# Altium PCB pi4.PcbDoc (part 3 of 4)
Units mm, origin at the board's own origin, x right, y up, seen from the top; angles counter-clockwise.
Board outline 90 x 90 mm, 6 copper layers (Top Layer, GND, Layer 1, Layer 2, +3.3V, Bottom Layer), stack 1.576 mm thick; 206 components, 185 nets, 1058 pads, 526 vias.
Unrouted connection lines stored in the file: 110.
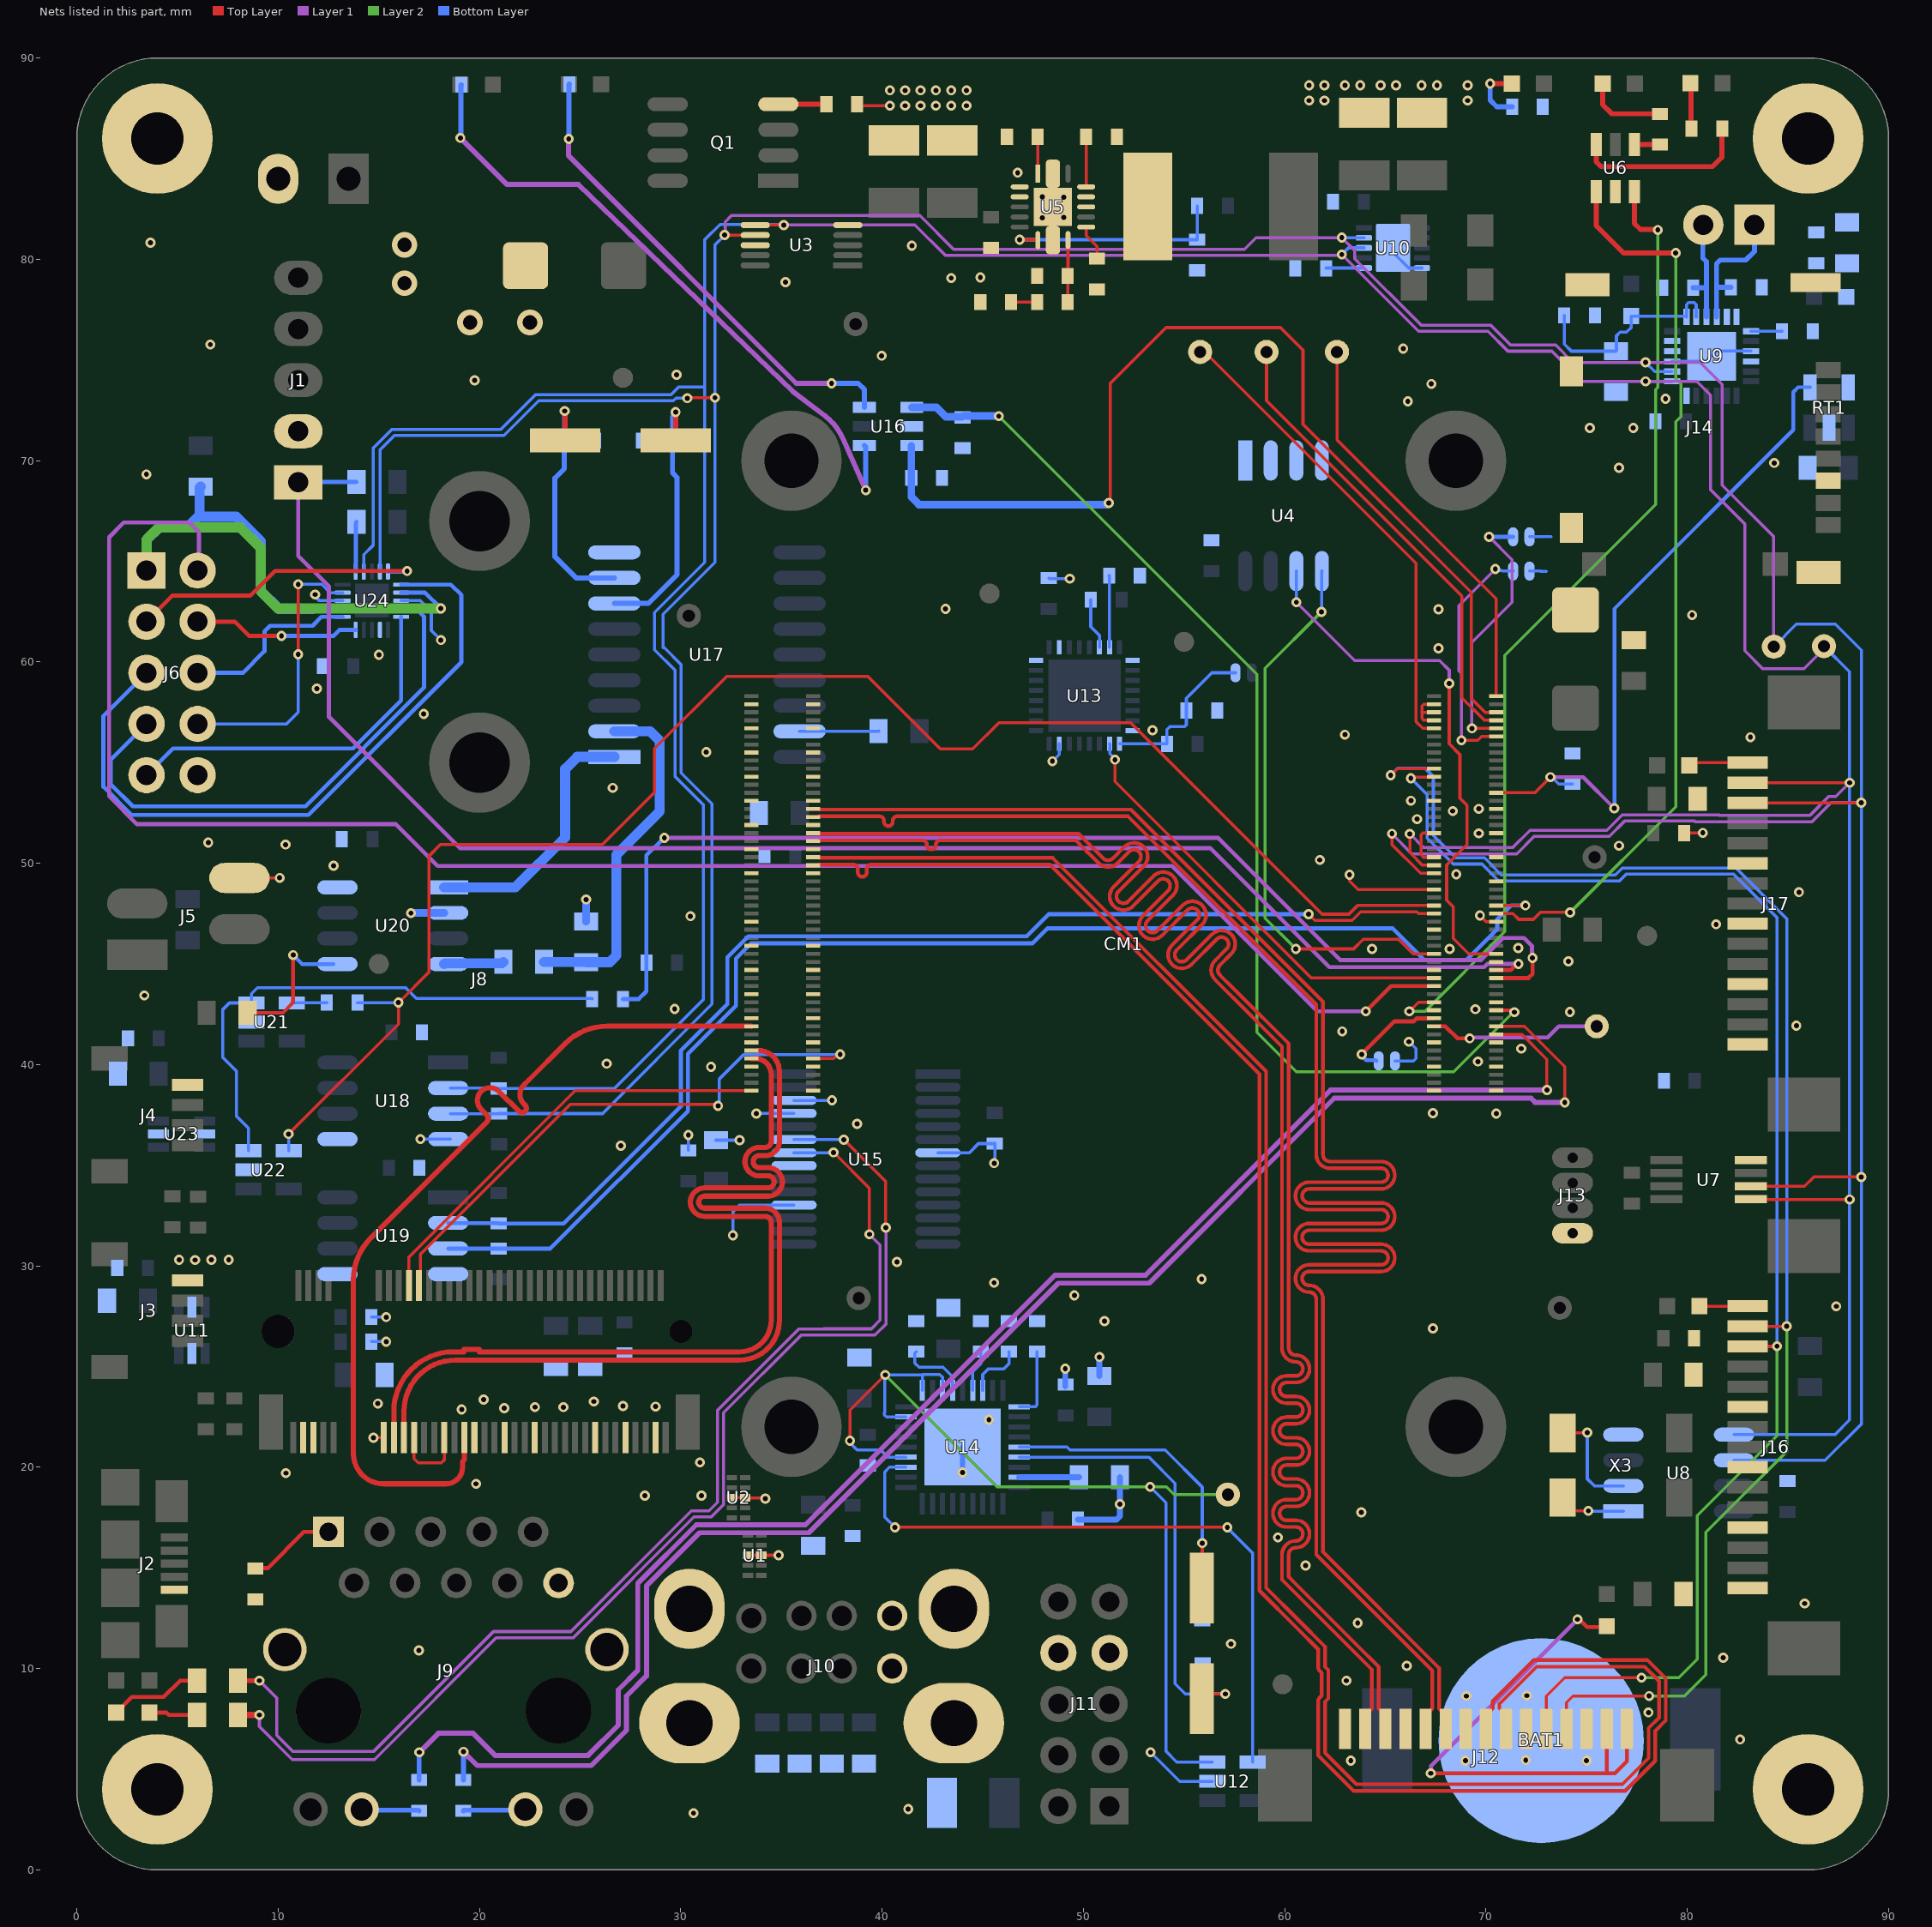
[diagram p7: the nets of this part, all layers, seen from the top]

## Via types
v1: diameter 0.5, hole 0.25, Top Layer to Bottom Layer, tented both sides, 427 vias
v2: diameter 0.5, hole 0.25, Top Layer to Bottom Layer, 94 vias
v3: diameter 1.27, hole 0.711, Top Layer to Bottom Layer, tented both sides, 5 vias

## Nets (pads, with @x,y where several pads share a name; then routed paths per layer and width w, separated by ;. In a path a pad name is that pad's centre, name@x,y a point inside that pad or via, vN(x,y) a via of type N, cw(c..) or ccw(c..) an arc to the next point about the centre after c; other vN are vias at no path point) (continued)
GND: BAT1.2 C1.2 C2.2 C3.2 C4.2 C5.2 C7.1 C8.2 C9.2 C10.2 C11.2 C13.2 C14.2 C15.2 C16.2 C17.2 C18.2 C19.2 C20.2 C21.2 C22.2 C23.2 C24.2 C25.2 C26.2 C27.2 C28.2 C29.2 C30.2 C31.2 C32.2 C33.2 C34.2 C35.2 C36.2 C37.2 C39.2 C40.2 C41.2 C42.2 C43.2 C44.2 C45.2 C46.2 C47.2 C48.2 C49.2 C50.2 C51.2 C52.2 C53.2 C54.2 C55.2 C56.2 C57.2 C58.2 C59.2 C60.2 C61.2 C62.2 C63.2 C64.2 C65.2 C66.2 C67.2 C68.2 C69.2 C70.2 C71.2 CM1.1 CM1.2 CM1.7 CM1.8 CM1.13 CM1.14 CM1.22 CM1.23 CM1.32 CM1.33 CM1.42 CM1.43 CM1.52 CM1.53 CM1.59 CM1.60 CM1.65 CM1.66 CM1.71 CM1.74 CM1.94 CM1.96 CM1.98 CM1.101 CM1.107 CM1.108 CM1.113 CM1.114 CM1.119 CM1.120 CM1.125 CM1.126 CM1.131 CM1.132 CM1.137 CM1.138 CM1.144 CM1.155 CM1.156 CM1.161 CM1.162 CM1.167 CM1.168 CM1.173 CM1.174 CM1.179 CM1.180 CM1.185 CM1.186 CM1.191 CM1.192 CM1.197 CM1.198 J1.2 J2.5 J3.1 J4.1 J5.4 J6.10 J7.2 J8.3 J8.9 J8.15 J8.27 J8.33 J8.39 J8.45 J8.51 J8.57 J8.71 J8.73 J9.10 J9.S J10.4A J10.4B J10.S J11.7 J11.8 J12.1 J12.4 J12.7 J12.10 J12.13 J13.4 J14.6 J14.P1 J14.P2 J14.P3 J14.P4 J14.P5 J16.1 J16.4 J16.7 J16.10 J17.1 J17.4 J17.7 J17.10 R6.1 R16.2 R19.2 R20.1 R23.2 R24.1 R26.2 R27.1 R28.1 R29.1 R30.2 R31.2 R33.1 R36.1 R50.2 RT1.2 S1.1 S2.1 S3.1 S4.1 SB1.2 SB2.2 SB3.2 U1.3 U1.8 U2.3 U2.8 U3.5 U3.8 U4.1 U4.2 U4.3 U4.4 U5.2 U5.3 U5.15 U6.2 U7.4 U8.4 U9.3 U9.4 U9.5 U9.11 U9.12 U9.15 U9.16 U9.24 U9.25 U10.5 U10.11 U11.2 U11.5 U12.2 U13.2 U13.9 U13.16 U13.23 U13.32 U14.37 U15.7 U15.18 U15.21 U15.25 U15.26 U16.2 U17.9 U18.4 U18.5 U19.4 U19.5 U20.2 U20.8 U21.2 U22.2 U23.2 U23.5 U24.8 U24.12 U24.18 | length 70.3
  Top Layer w0.15: J5.4@8.08,49.27 10.07,49.27 v1(10.075,49.275) ; v1(14.732,21.463) 14.834,21.463 14.846,21.475 J8.57@15.25,21.475 ; J8.51@16.75,21.475 16.75,20.436 16.967,20.218 18.11,20.218 18.25,20.358 J8.45@18.25,21.475 ; J8.33@21.175,21.55 J8.33@21.25,21.475 ; U2.8@32.537,18.483 U2.3@33.198,18.483 33.219,18.462 34.185,18.462 v1(34.206,18.441) ; U1.8@33.34,15.628 U1.3@34,15.628 v1(34.864,15.628) ; R6.1@38.762,87.7 38.832,87.63 v1(40.386,87.63) ; v2(63.221,49.428) 63.221,49.124 63.644,48.7 CM1.52@67.42,48.7 ; 66.828,57.5 CM1.96@67.42,57.5 ; CM1.60@67.42,50.3 66.893,50.3 66.777,50.417 66.777,51.412 66.864,51.5 CM1.66@67.42,51.5 ; CM1.94@67.42,57.1 66.915,57.1 66.827,57.188 66.827,57.499 66.827,57.81 66.917,57.9 CM1.98@67.42,57.9 ; v1(69.7,47.407) 70.007,47.1 CM1.43@70.5,47.1 ; C16.2@79.837,51.5 80.761,51.5 v1(80.772,51.511) ; v1@80.198,62.316 80.213,62.332 v1(80.239,62.332)
  Bottom Layer w0.15: v2(11.836,63.348) 11.836,63.258 12.051,63.043 U24.18@13.206,63.043 ; v1@12.751,49.874 v1(12.75,49.875) v1@12.775,49.9 ; C62.2@14.63,26.238 v1(15.367,26.238) ; C63.2@14.63,27.457 v1(15.367,27.457) ; U24.8@16.106,63.043 17.069,63.043 17.61,62.502 17.61,61.562 v2(18.085,61.087) ; v1(17.069,36.297) 17.094,36.297 17.096,36.295 18.549,36.295 U18.4@18.546,36.297 ; C54.2@30.378,35.738 v1(30.378,36.5) ; C53.2@31.75,36.246 v1(32.918,36.246) ; v1(32.588,31.521) 32.588,32.69 32.923,33.025 U15.18@35.625,33.025 ; v1(33.757,37.567) 33.765,37.575 U15.25@35.625,37.575 ; U15.26@35.625,38.225 37.514,38.225 v1(37.516,38.227) ; U15.7@42.775,35.625 44.337,35.625 44.788,36.076 C40.2@45.6,36.076 45.6,35.135 v1(45.568,35.103) ; C37.2@48.285,64.16 48.311,64.135 v1(49.327,64.135) ; v1(48.463,55.067) 48.801,55.405 U13.23@48.801,55.932 ; v1(53.34,5.842) 54.782,4.4 U12.2@56.4,4.4 ; U10.11@65.38,80.569 65.38,80.343 66.154,79.569 U10.5@66.824,79.569 ; SB3.2@65.481,40.183 66.396,40.183 66.523,40.31 66.523,40.786 v1(66.173,41.136) ; SB1.2@72.161,64.516 72.704,64.516 72.716,64.504 72.988,64.504 ; SB2.2@72.161,66.218 73.23,66.218 73.242,66.23 ; U9.3@79.248,74.93 80.95,74.93 U9.25@81.204,75.184 81.458,75.438 U9.15@83.16,75.438
  Bottom Layer w0.25: v1(43.993,19.736) 44,19.743 U14.37@44,21
  Bottom Layer w0.296: v1(49.098,24.892) 49.1,24.89 C36.2@49.1,24.024 ; C35.2@49.737,17.4 51.639,17.4 51.812,17.573 51.812,18.157 v1(51.816,18.161) R24.1@51.816,19.5 ; C34.2@50.8,24.532 v1(50.8,25.476)
  Bottom Layer w0.381: v1(16.6,47.525) 16.61,47.535 U20.2@18.249,47.535 ; R36.1@25.3,47.116 v1(25.3,48.2)
  other v1: 30.632,2.819 41.3,3.023 63.287,5.43 68.977,5.43 74.996,5.43 71.974,5.455 82.626,6.477 78.07,7.817 69.027,8.63 72.025,8.655 63.068,9.398 66.065,10.135 81.788,10.541 16.993,10.897 57.328,11.227 63.627,12.268 85.827,13.233 61.036,15.113 59.665,16.51 63.805,17.755 28.213,18.589 31.032,18.589 19.831,19.174 10.382,19.707 30.956,20.24 45.308,22.354 19.116,22.866 21.234,22.936 24.174,22.984 22.758,22.987 28.753,23.012 27.127,23.038 14.954,23.161 25.679,23.266 20.212,23.365 67.361,26.899 51.049,27.261 87.401,27.991 49.551,28.531 45.563,29.166 55.875,29.344 40.742,30.201 5.875,30.295 5.08,30.302 6.68,30.302 7.544,30.302 27.026,35.966 38.76,37.059 70.51,37.567 67.361,37.592 31.503,39.887 26.317,40.043 69.603,40.15 71.755,40.792 62.857,41.648 85.42,41.935 74.172,42.618 29.695,42.761 69.469,42.748 3.353,43.434 74.096,45.132 71.603,45.785 81.432,46.965 30.48,47.371 85.547,48.565 68.523,49.448 61.747,50.165 76.61,50.873 10.363,50.927 6.528,51.029 69.647,51.486 66.577,52.193 68.35,52.593 69.647,52.705 66.272,53.108 26.619,53.746 31.267,55.524 83.134,56.261 62.992,56.388 53.433,56.608 17.233,57.418 67.64,60.681 67.64,62.611 43.155,62.636 3.454,69.317 76.606,69.647 84.32,69.883 75.159,71.628 77.318,71.628 66.116,72.949 78.918,73.076 67.285,73.812 19.761,73.99 29.794,74.27 39.98,75.209 65.888,75.565 6.629,75.768 35.204,78.867 43.434,79.07 44.882,79.096 41.478,80.676 3.658,80.823 47.964,82.063 49.03,82.088 49.03,83.079 47.964,83.104 46.736,84.303 41.148,87.63 41.91,87.63 42.672,87.63 43.434,87.63 44.196,87.63 61.214,87.884 61.976,87.884 69.088,87.884 40.386,88.392 41.148,88.392 41.91,88.392 42.672,88.392 43.434,88.392 44.196,88.392 61.214,88.646 61.976,88.646 62.992,88.646 63.754,88.646 64.77,88.646 65.532,88.646 66.802,88.646 67.564,88.646 69.088,88.646
  other v2: 64.338,45.745 68.199,45.745 11.922,58.669 15.004,60.353
  other v3: 19.533,76.86 22.504,76.86 16.281,78.816 16.281,80.721
GPIO13: CM1.28 J6.2 | length 90.5
  Top Layer w0.203: v1(64.033,42.645) v1(64.033,42.645) 65.287,43.9 CM1.28@67.42,43.9
  Layer 1 w0.203: J6.2@6,64.54 6.071,64.611 6.071,66.446 5.588,66.929 2.337,66.929 1.6,66.192 1.6,53.34 2.997,51.943 15.85,51.943 17.923,49.87 54.397,49.87 61.622,42.645 v1(64.033,42.645)
I2C0.SCL: CM1.80 J12.11 J16.13 | length 73.6
  Top Layer w0.152: v2(66.269,54.224) 66.321,54.276 67.396,54.276 CM1.80@67.42,54.3 ; J12.11@73,7 73,8.636 73.914,9.55 v2(77.724,9.55) ; J16.13@83,26 84.445,26 v2(84.455,26.01)
  Layer 2 w0.152: v2(77.724,9.55) 79.578,9.55 80.493,10.465 80.493,17.602 84.455,21.565 v2(84.455,26.01)
  Bottom Layer w0.152: v2(66.269,54.224) 67.081,53.411 67.081,51.257 68.374,49.964 69.797,49.964 70.637,49.124 76.632,49.124 76.962,49.454 82.3,49.454 84.455,47.299 v2(84.455,26.01)
I2C0.SDA: CM1.82 J12.12 J16.14 | length 77.1
  Top Layer w0.152: v2(65.265,54.368) 65.279,54.368 65.61,54.7 CM1.82@67.42,54.7 ; J12.12@74,7 74,8.316 74.32,8.636 v2(78.105,8.636) ; J16.14@83,27 v2(84.938,27)
  Layer 2 w0.152: v2(78.105,8.636) 79.858,8.636 80.924,9.703 80.924,16.764 84.938,20.777 v2(84.938,27)
  Bottom Layer w0.152: v2(65.265,54.368) 65.609,54.712 66.98,54.712 67.386,54.305 67.386,51.38 68.5,50.267 69.926,50.267 70.767,49.426 76.431,49.426 76.761,49.756 82.425,49.756 84.938,47.244 v2(84.938,27)
I2C1.SCL: CM1.56 J17.13 R39.2 SCL1.1 U3.7 U7.2 U8.6 U9.2 U10.9 U18.3 U24.4 | length 242.5
  Top Layer w0.15: v2(30.328,73.101) 30.353,73.127 v2(31.699,73.127) ; v2(32.182,81.204) 32.184,81.202 33.698,81.202 U3.7@33.7,81.2 ; v2(65.329,51.468) 65.335,51.462 65.335,50.921 66.756,49.5 CM1.56@67.42,49.5 ; J17.13@83.035,53.035 J17.13@83,53 88.636,53 v2(88.646,53.01) ; U7.2@83.16,33.96 85.827,33.96 86.284,34.417 v2(88.646,34.417)
  Layer 1 w0.15: v2(32.182,81.204) 32.207,81.229 32.207,81.864 32.518,82.175 41.879,82.175 43.553,80.5 57.996,80.5 58.572,81.077 v2(62.84,81.077) 63.475,80.442 63.475,80.03 66.771,76.733 70.225,76.733 71.219,75.739 73.46,75.739 74.32,74.879 v2(77.927,74.879) 80.645,74.879 81.737,73.787 81.737,68.783 84.277,66.243 84.277,60.782 SCL1.1@84.303,60.757 ; v2(65.329,51.468) 65.329,51.46 66.319,50.47 71.526,50.47 72.39,51.333 76.124,51.333 76.886,52.095 80.366,52.095 80.391,52.07 86.208,52.07 87.147,53.01 v2(88.646,53.01)
  Bottom Layer w0.15: U24.4@15.056,64.493 15.056,70.529 15.777,71.251 21.213,71.251 22.94,72.978 29.64,72.978 29.763,73.101 v2(30.328,73.101) ; U18.3@18.549,37.565 20.979,37.565 R39.2@20.98,37.567 26.111,37.567 31.547,43.002 31.547,52.959 30.023,54.483 30.023,59.868 29.185,60.706 29.12,60.706 29.12,62.369 31.699,64.948 v2(31.699,73.127) 31.699,80.721 v2(32.182,81.204) ; v2(62.84,81.077) 62.848,81.069 U10.9@63.935,81.069 ; v2(77.927,74.879) 78.384,74.422 U9.2@79.248,74.422 ; U8.6@82.321,20.345 86.847,20.345 88.646,22.145 v2(88.646,34.417) v2(88.646,53.01) 88.646,60.579 87.351,61.874 85.42,61.874 SCL1.1@84.303,60.757
I2C1.SDA: CM1.58 J17.14 R40.2 SDA1.1 U3.6 U7.1 U8.5 U9.1 U10.8 U18.2 U24.2 | length 234.9
  Top Layer w0.15: v2(66.218,51.46) 66.218,50.532 66.85,49.9 CM1.58@67.42,49.9
  Top Layer w0.152: U3.6@33.7,81.7 v2(35.116,81.7) ; J17.14@83,54 v2(88.062,54) ; U7.1@83.16,33.31 83.165,33.305 88.057,33.305 v2(88.062,33.299)
  Layer 1 w0.15: v2(66.218,51.46) 66.904,50.775 71.322,50.775 72.181,51.633 76,51.633 76.762,52.395 81.572,52.395 81.596,52.371 85.957,52.371
  Layer 1 w0.152: v2(35.116,81.7) 35.128,81.712 41.631,81.712 43.143,80.199 62.8,80.199 v2(62.84,80.239) 66.646,76.432 70.1,76.432 71.095,75.438 73.279,75.438 74.778,73.939 v2(77.927,73.939) 80.467,73.939 81.153,73.254 81.153,68.555 82.855,66.853 82.855,60.554 83.744,59.665 85.801,59.665 SDA1.1@86.716,60.579 ; 85.957,52.371 86.083,52.371 87.023,53.311 87.372,53.311 v2(88.062,54)
  Bottom Layer w0.15: U18.2@18.549,38.835 20.931,38.835 R40.2@20.955,38.811 26.703,38.811 31.115,43.223 31.115,52.908 29.718,54.305 29.718,59.588 28.702,60.604 28.702,62.459 31.191,64.948 31.191,73.66 31.191,80.975 31.953,81.737 35.079,81.737 v2(35.116,81.7)
  Bottom Layer w0.152: U24.2@14.256,64.493 14.256,65.335 14.732,65.811 14.732,70.637 15.646,71.552 21.057,71.552 22.784,73.279 29.515,73.279 29.896,73.66 31.191,73.66 ; v2(62.84,80.239) 63.17,80.569 U10.8@63.935,80.569 ; v2(77.927,73.939) U9.1@79.248,73.939 ; U8.5@82.321,21.615 87.325,21.615 88.062,22.352 v2(88.062,33.299) 88.062,54.035 88.062,59.512 SDA1.1@86.792,60.782
I2C6.SCL: CM1.47 R42.2 U19.3 | length 66.7
  Top Layer w0.152: CM1.47@70.5,47.9 70.502,47.902 71.956,47.902 v2(71.958,47.904)
  Bottom Layer w0.203: U19.3@18.449,30.865 18.451,30.863 20.953,30.863 R42.2@20.955,30.861 23.52,30.861 30.353,37.694 30.353,40.538 32.741,42.926 32.741,45.263 33.503,46.025 47.473,46.025 48.212,46.764 65.377,46.764 66.954,45.187 69.012,45.187 70.561,46.736 70.561,47.219 71.247,47.904 v2(71.958,47.904)
I2C6.SDA: CM1.46 R41.2 U19.2 | length 58.7
  Top Layer w0.152: v2(61.189,47.473) 61.493,47.168 63.348,47.168 63.773,47.593 66.567,47.593 66.661,47.5 CM1.46@67.42,47.5
  Bottom Layer w0.203: U19.2@18.449,32.135 18.464,32.12 20.94,32.12 R41.2@20.955,32.106 24.181,32.106 30,37.925 30,40.685 32.317,43.002 32.317,45.339 33.356,46.378 47.191,46.378 48.285,47.473 v2(61.189,47.473)
I2C_FAULT: CM1.29 R12.2 R18.2 | length 58.9
  Top Layer w0.203: CM1.29@70.5,44.3 72.113,44.3 72.313,44.5 v1(72.313,45.295)
  Layer 1 w0.203: v2(29.185,51.257) 56.695,51.257 62.757,45.195 69.756,45.195 70.848,46.287 71.892,46.287 72.279,45.9 72.279,45.33 v1(72.313,45.295)
  Bottom Layer w0.203: R18.2@27.127,43.256 27.915,43.256 28.296,43.637 R12.2@28.296,45.06 28.296,50.394 29.159,51.257 v2(29.185,51.257)
I2C_ID.SCL: CM1.35 U4.6 | length 27.2
  Top Layer w0.152: v2(68.174,58.928) 68.174,55.931 68.707,55.397 68.707,53.234 69.063,52.879 69.063,50.927 68.047,49.911 68.047,48.158 68.373,47.832 68.373,46.27 69.143,45.5 CM1.35@70.5,45.5
  Layer 1 w0.152: v2(60.579,62.967) 63.475,60.071 67.691,60.071 68.174,59.588 v2(68.174,58.928)
  Bottom Layer w0.152: v2(60.579,62.967) U4.6@60.579,64.51
I2C_ID.SDA: CM1.36 U4.5 | length 27.9
  Top Layer w0.152: v2(60.554,45.745) 63.424,45.745 63.906,46.228 65.659,46.228 66.387,45.5 CM1.36@67.42,45.5
  Layer 2 w0.152: v2(60.554,45.745) 59.03,47.269 59.03,59.69 v2(61.824,62.484)
  Bottom Layer w0.152: v2(61.824,62.484) 61.836,62.497 61.836,64.498 U4.5@61.849,64.51
I2CEN: CM1.48 R21.1 U22.4 | length 80.6
  Top Layer w0.152: v2(10.516,36.551) 15.977,42.012 v2(15.977,43.078) 17.501,44.602 17.501,50.368 18.059,50.927 26.111,50.927 28.702,53.518 28.702,55.702 32.283,59.284 39.294,59.284 42.85,55.727 42.901,55.677 44.501,55.677 45.796,56.972 52.362,56.972 61.864,47.47 63.188,47.47 63.618,47.9 CM1.48@67.42,47.9
  Bottom Layer w0.152: v2(10.516,36.551) 10.525,36.541 U22.4@10.525,35.723 ; R21.1@13.945,43.078 v2(15.977,43.078)
LED_USER1: CM1.45 U6.1 | length 45.3
  Top Layer w0.152: CM1.45@70.5,47.5 71.338,47.5 71.622,47.216 72.362,47.216 72.72,47.574 74.166,47.574 v1(74.183,47.557)
  Top Layer w0.25: U6.1@75.479,83.356 75.479,81.671 76.835,80.315 v1(79.426,80.315)
  Layer 2 w0.152: v1(74.183,47.557) 79.426,52.8 79.426,71.933 79.68,72.187 79.68,73.812 79.426,74.066 v1(79.426,80.315)
LED_USER2: CM1.24 U6.3 | length 48.7
  Top Layer w0.152: v1(66.192,42.645) 66.648,43.1 CM1.24@67.42,43.1
  Top Layer w0.25: U6.3@77.379,83.356 77.379,81.778 77.673,81.483 78.511,81.483 v2(78.537,81.458)
  Layer 2 w0.152: v1(66.192,42.645) 66.978,42.645 70.936,46.603 70.936,60.319 78.435,67.818 78.435,73.533 78.537,73.635 v2(78.537,81.458)
LIDAR-PWM: CM1.31 J1.1 R38.1 | length 81.2
  Top Layer w0.203: J1.1@10.668,68.588 J1.1@11,68.92 ; CM1.31@70.5,44.7 71.234,44.7 71.531,44.997 v1(71.611,44.997)
  Layer 1 w0.203: J1.1@11,68.92 11,65.276 12.522,63.754 12.522,57.268 19.035,50.756 56.304,50.756 62.218,44.841 69.903,44.841 70.059,44.997 v1(71.611,44.997)
  Bottom Layer w0.203: J1.1@11,68.92 11.016,68.936 R38.1@13.894,68.936
MIPI_CK_N: CM1.169 J12.5 | length 92.5
  Top Layer w0.184: CM1.169@36.58,52.3 36.83,52.3 36.863,52.333 39.345,52.333 39.874,52.333 cw(c39.874,52.114) 40.093,52.114 40.093,52.069 ccw(c40.312,52.069) 40.312,51.851 ccw(c40.312,52.069) 40.531,52.069 40.531,52.114 cw(c40.749,52.114) 40.749,52.333 41.469,52.333 52.222,52.333 61.57,42.986 61.57,36.576 61.57,35.529 ccw(c62.249,35.529) 62.249,34.849 64.792,34.849 cw(c64.792,34.503) 64.792,34.157 61.215,34.157 ccw(c61.215,33.478) 61.215,32.798 64.792,32.798 cw(c64.792,32.453) 64.792,32.107 61.215,32.107 ccw(c61.215,31.427) 61.215,30.748 64.792,30.748 cw(c64.792,30.402) 64.792,30.056 61.215,30.056 ccw(c61.215,29.376) 61.215,28.697 61.224,28.697 cw(c61.224,28.351) 61.57,28.351 61.57,28.092 61.57,15.657 67.333,9.894 67.333,8.016 67.226,7.908 67.213,7.908 67,7.695 J12.5@67,7
MIPI_CK_P: CM1.171 J12.6 | length 92.5
  Top Layer w0.184: CM1.171@36.58,52.7 36.83,52.7 36.863,52.667 52.361,52.667 61.903,43.124 61.903,36.576 61.903,35.529 ccw(c62.249,35.529) 62.249,35.183 64.792,35.183 cw(c64.792,34.503) 64.792,33.824 61.215,33.824 ccw(c61.215,33.478) 61.215,33.132 64.792,33.132 cw(c64.792,32.453) 64.792,31.773 61.215,31.773 ccw(c61.215,31.427) 61.215,31.081 64.792,31.081 cw(c64.792,30.402) 64.792,29.722 61.215,29.722 ccw(c61.215,29.376) 61.215,29.031 61.224,29.031 cw(c61.224,28.351) 61.903,28.351 61.903,28.092 61.903,15.795 67.667,10.032 67.667,8.016 67.774,7.908 67.787,7.908 68,7.695 J12.6@68,7
MIPI_D0_N: CM1.157 J12.8 | length 96.2
  Top Layer w0.184: CM1.157@36.58,49.9 36.83,49.9 36.863,49.933 38.049,49.933 38.579,49.933 cw(c38.579,49.714) 38.798,49.714 38.798,49.544 ccw(c39.016,49.544) 39.016,49.325 ccw(c39.016,49.544) 39.235,49.544 39.235,49.714 cw(c39.454,49.714) 39.454,49.933 40.197,49.933 48.339,49.933 48.999,49.273 49.225,49.047 58.747,39.526 58.747,13.872 60.655,11.963 61.668,10.951 61.668,10.01 61.707,9.916 61.835,9.788 61.835,8.653 61.707,8.524 61.668,8.43 61.668,5.678 63.421,3.925 76.914,3.925 78.408,5.419 78.408,6.901 78.931,7.423 78.931,9.511 78.016,10.426 72.379,10.426 70.333,8.38 70.333,8.028 70,7.695 J12.8@70,7
MIPI_D0_P: CM1.159 J12.9 | length 93.8
  Top Layer w0.184: CM1.159@36.58,50.3 36.83,50.3 36.863,50.267 40.197,50.267 48.478,50.267 59.08,39.664 59.08,14.01 60.665,12.425 62.001,11.089 62.001,10.093 62.169,9.926 62.169,8.514 62.001,8.347 62.001,5.817 63.559,4.259 76.776,4.259 78.074,5.557 78.074,7.039 78.597,7.561 78.597,9.373 77.878,10.092 72.517,10.092 70.667,8.242 70.667,8.028 71,7.695 J12.9@71,7
MIPI_D1_N: CM1.163 J12.2 | length 90.4
  Top Layer w0.184: CM1.163@36.58,51.1 36.83,51.1 36.863,51.133 41.478,51.133 42.008,51.133 cw(c42.008,50.914) 42.227,50.914 42.227,50.902 ccw(c42.445,50.902) 42.445,50.683 ccw(c42.445,50.902) 42.664,50.902 42.664,50.914 cw(c42.883,50.914) 42.883,51.133 44.056,51.133 49.629,51.133 50.051,50.711 50.233,50.529 ccw(c50.352,50.646) 50.234,50.528 50.746,50.016 ccw(c51.227,50.496) 51.708,50.016 52.271,50.578 cw(c52.516,50.335) 52.761,50.091 51.507,48.837 ccw(c51.987,48.356) 51.506,47.875 ccw(c51.987,48.356) 52.468,47.876 53.721,49.128 ; 53.721,49.129 cw(c53.966,48.885) 54.21,49.13 cw(c53.966,48.885) 54.211,49.129 cw(c53.966,48.885) 54.212,49.128 cw(c53.966,48.885) 54.211,48.641 52.957,47.387 ccw(c53.437,46.905) 53.918,46.425 55.171,47.678 ; 55.171,47.679 cw(c55.416,47.434) 55.66,47.68 cw(c55.416,47.434) 55.661,47.679 cw(c55.416,47.434) 55.662,47.678 cw(c55.416,47.434) 55.661,47.191 54.407,45.936 ccw(c54.887,45.455) 54.407,44.975 ccw(c54.887,45.455) 55.368,44.975 ; 55.369,44.976 56.621,46.228 cw(c56.866,45.984) 57.111,46.229 cw(c56.866,45.984) 57.112,45.741 56.547,45.177 ccw(c57.027,44.695) 56.547,44.214 57.271,43.49 ccw(c57.39,43.608) 57.273,43.489 57.455,43.307 59.868,40.894 59.868,27 59.868,25.914 ccw(c60.547,25.914) 60.547,25.235 60.556,25.235 cw(c60.556,24.889) 60.556,24.543 60.094,24.543 ccw(c60.094,23.863) 60.094,23.184 60.556,23.184 cw(c60.556,22.838) 60.556,22.492 60.094,22.492 ccw(c60.094,21.813) 60.094,21.133 60.556,21.133 cw(c60.556,20.787) 60.556,20.441 60.094,20.441 ccw(c60.094,19.762) 60.094,19.082 60.556,19.082 cw(c60.556,18.737) 60.556,18.391 60.094,18.391 ccw(c60.094,17.711) 60.094,17.032 60.556,17.032 cw(c60.556,16.686) 60.556,16.34 60.547,16.34 ccw(c60.547,15.66) 59.868,15.66 59.868,14.413 59.904,14.376 64.333,9.947 64.333,8.016 64.226,7.908 64.213,7.908 64,7.695 J12.2@64,7
MIPI_D1_P: CM1.165 J12.3 | length 90.5
  Top Layer w0.184: CM1.165@36.58,51.5 36.83,51.5 36.863,51.467 49.767,51.467 50.287,50.947 50.518,50.715 50.982,50.252 ccw(c51.227,50.496) 51.472,50.252 52.035,50.814 cw(c52.516,50.335) 52.942,50.864 52.948,50.864 52.996,50.816 cw(c52.516,50.335) 52.997,50.814 53.045,50.766 53.045,50.761 cw(c52.516,50.335) 52.996,49.854 ; 51.742,48.111 cw(c51.987,48.356) 51.743,48.601 52.996,49.853 ; 51.743,48.11 ccw(c51.987,48.356) 52.231,48.11 53.485,49.364 cw(c53.966,48.885) 54.447,49.365 cw(c53.966,48.885) 54.446,48.403 ; 54.446,48.403 53.193,47.151 ccw(c53.437,46.905) 53.681,46.66 54.935,47.914 cw(c55.416,47.434) 55.897,47.915 cw(c55.416,47.434) 55.896,46.953 ; 54.642,45.211 cw(c54.887,45.455) 54.643,45.7 55.896,46.953 ; 54.643,45.21 ccw(c54.887,45.455) 55.131,45.21 56.385,46.464 cw(c56.866,45.984) 57.292,46.514 57.298,46.514 57.346,46.465 ; 57.347,46.464 57.396,46.416 57.396,46.41 cw(c56.866,45.984) 57.346,45.503 56.784,44.941 ccw(c57.027,44.695) 56.783,44.45 57.459,43.775 57.691,43.543 60.201,41.032 60.201,27 60.201,25.914 ccw(c60.547,25.914) 60.547,25.568 60.556,25.568 cw(c60.556,24.889) 60.556,24.209 60.094,24.209 ccw(c60.094,23.863) 60.094,23.517 60.556,23.517 cw(c60.556,22.838) 60.556,22.158 60.094,22.158 ccw(c60.094,21.813) 60.094,21.467 60.556,21.467 cw(c60.556,20.787) 60.556,20.108 60.094,20.108 ccw(c60.094,19.762) 60.094,19.416 60.556,19.416 cw(c60.556,18.737) 60.556,18.057 60.094,18.057 ccw(c60.094,17.711) 60.094,17.365 60.556,17.365 cw(c60.556,16.686) 60.556,16.006 60.547,16.006 ccw(c60.547,15.66) 60.201,15.66 60.201,14.551 60.376,14.376 63.574,11.179 64.667,10.085 64.667,8.016 64.774,7.908 64.787,7.908 65,7.695 J12.3@65,7
NetC1_1: C1.1 J9.1 | length 4.4
  Top Layer w0.203: C1.1@8.8,14.987 9.476,14.987 11.28,16.792 J9.1@12.5,16.792
NetC6_1: C6.1 U5.13 | length 2.5
  Top Layer w0.152: U5.13@50.139,83.601 50.139,86.08 C6.1@50.14,86.081
NetC6_2: C6.2 L1.2 U5.11 U5.12
NetC7_2: C7.2 U5.9 | length 1.8
  Top Layer w0.152: U5.9@50.139,81.601 50.139,81.179 50.673,80.645 C7.2@50.673,80.035
NetC10_1: C10.1 R8.2 U5.8 | length 3.1
  Top Layer w0.152: R8.2@49.225,77.876 C10.1@49.225,79.172 49.239,79.185 U5.8@49.239,80.951
NetC11_1: C11.1 R8.1 | length 1.3
  Top Layer w0.152: C11.1@46.406,77.876 R8.1@47.701,77.876
NetC20_1: C20.1 U9.13 | length 1.5
  Bottom Layer w0.15: U9.13@83.16,76.429 C20.1@84.709,76.429
NetC21_1: C21.1 J15.1 U9.10 | length 6.8
  Bottom Layer w0.246: U9.10@81.458,77.14 81.458,78.613 81.458,78.715 ; C21.1@82.169,78.613 81.559,78.613 81.458,78.715 ; J15.1@83.337,81.712 83.337,80.391 82.906,79.959 81.636,79.959 81.458,79.781 81.458,78.715
NetC23_1: C23.1 J15.2 U9.9 | length 5.3
  Bottom Layer w0.246: C23.1@80.289,78.588 80.874,78.588 80.95,78.511 ; J15.2@80.797,81.712 80.772,81.686 80.772,80.061 80.95,79.883 80.95,78.511 ; U9.9@80.95,77.14 80.95,78.511
NetC25_1: C25.1 C26.1 FB5.2 U9.7 U9.8 | length 10.9
  Bottom Layer w0.152: C26.1@73.889,77.216 73.889,75.794 74.244,75.438 C25.1@76.454,75.438 76.479,75.463 76.479,76.2 76.657,76.378 76.987,76.378 77.216,76.606 FB5.2@77.216,77.178 79.921,77.178 U9.7@79.959,77.14 79.959,77.749 80.061,77.851 80.34,77.851 80.442,77.749 U9.8@80.442,77.14
NetC27_1: C27.1 C28.1 FB1.2 RT1.5
NetC31_1: C31.1 R22.2 SB4.2 U13.17 | length 8.4
  Bottom Layer w0.152: U13.17@51.801,55.932 54.152,55.932 R22.2@54.153,55.931 54.153,56.642 54.305,56.794 55.029,56.794 55.118,56.884 C31.1@55.118,57.582 55.118,58.191 56.388,59.461 SB4.2@57.556,59.461
NetC32_1: C32.1 U14.33 X2.2 | length 22.2
  Top Layer w0.15: X2.2@55.88,8.502 56.115,8.738 v1(57.048,8.738)
  Bottom Layer w0.15: U14.33@46.817,20.5 53.262,20.5 54.559,19.202 54.559,9.246 55.067,8.738 C32.1@55.931,8.738 v1(57.048,8.738)
NetC33_1: C33.1 U14.32 X2.1 | length 17.2
  Top Layer w0.15: X2.1@55.88,14.002 55.905,14.028 v1(55.905,16.231)
  Bottom Layer w0.15: U14.32@46.817,21 49.18,21 49.327,20.853 54.065,20.853 55.905,19.013 v1(55.905,16.231) C33.1@55.905,13.919
NetC55_1: C55.1 U17.7 X1.2 | length 13.4
  Top Layer w0.25: v1(29.743,72.415) 29.75,72.409 X1.2@29.75,71
  Bottom Layer w0.25: U17.7@26.7,62.905 28.386,62.905 29.816,64.335 29.816,69.164 29.587,69.393 C55.1@29.587,71 29.591,71.004 29.591,72.195 29.743,72.348 v1(29.743,72.415)
NetC58_1: C58.1 U17.8 X1.1 | length 12.3
  Top Layer w0.25: v1(24.232,72.466) 24.25,72.448 X1.1@24.25,71
  Bottom Layer w0.25: v1(24.232,72.466) 24.222,72.457 24.222,71.009 C58.1@24.213,71 24.213,69.596 23.749,69.132 23.749,65.227 24.801,64.175 U17.8@26.7,64.175
NetCM1_15: CM1.15 R44.1 | length 80.1
  Top Layer w0.152: CM1.15@70.5,41.5 71.792,41.5 73.025,40.267 v1(73.025,38.735)
  Layer 1 w0.25: v1(17.018,5.842) 17.958,6.782 19.685,6.782 20.777,5.69 25.4,5.69 26.899,7.188 26.899,8.941 27.864,9.906 27.864,14.239 30.769,17.145 36.195,17.145 48.59,29.54 53.086,29.54 62.281,38.735 v1(73.025,38.735)
  Bottom Layer w0.25: R44.1@17,4.462 17,5.824 v1(17.018,5.842)
NetCM1_17: CM1.17 R43.1 | length 79.9
  Top Layer w0.152: CM1.17@70.5,41.9 71.917,41.9 73.914,39.903 v1(73.914,38.125)
  Layer 1 w0.25: v1(19.202,5.867) 19.888,5.182 25.552,5.182 27.299,6.928 27.299,8.63 28.296,9.627 28.296,14.106 30.935,16.745 36.361,16.745 48.756,29.14 53.27,29.14 62.465,38.335 72.007,38.335 72.009,38.333
  Layer 1 w0.254: 72.009,38.333 72.233,38.333 72.441,38.125 v1(73.914,38.125)
  Bottom Layer w0.25: R43.1@19.2,4.462 19.2,5.865 v1(19.202,5.867)
NetCM1_18: CM1.18 TP9.1 | length 8.6
  Top Layer w0.203: CM1.18@67.42,41.9 67.98,41.9 68.58,41.3 v1(69.19,41.3)
  Layer 1 w0.203: v1(69.19,41.3) 69.233,41.344 73.069,41.344 73.625,41.9 TP9.1@75.5,41.9
NetCM1_20: CM1.20 SB3.1 | length 5.3
  Top Layer w0.203: v1(63.83,40.505) 63.83,40.538 65.435,42.143 66.4,42.143 66.557,42.3 CM1.20@67.42,42.3
  Bottom Layer w0.203: v1(63.83,40.505) 63.83,40.451 64.062,40.219 64.53,40.219 SB3.1@64.567,40.183
NetCM1_21: CM1.21 R30.1 U16.1 | length 56.2
  Top Layer w0.152: CM1.21@70.5,42.7 71.217,42.7 71.314,42.603 v1(71.408,42.603)
  Layer 2 w0.152: v1(45.796,72.212) 58.623,59.385 58.623,41.605 60.579,39.649 68.402,39.649 71.356,42.603 v1(71.408,42.603)
  Bottom Layer w0.15: R30.1@43.967,72.179 R30.1@44,72.146
  Bottom Layer w0.152: R30.1@44,72.146 R30.1@44.066,72.212
  Bottom Layer w0.381: U16.1@41.475,72.65 42.691,72.65 43.162,72.179 R30.1@43.967,72.179 ; R30.1@44.066,72.212 v1(45.796,72.212)
NetCM1_75: CM1.75 R19.1 RT1.4 | length 33.4
  Top Layer w0.152: CM1.75@70.5,53.5 72.423,53.5 v1(73.203,54.28)
  Layer 1 w0.184: v1(73.203,54.28) 74.828,54.28 v2(76.378,52.73)
  Bottom Layer w0.152: v1(73.203,54.28) 73.267,54.28 73.609,53.938 R19.1@74.3,53.938
  Bottom Layer w0.184: v2(76.378,52.73) 76.378,62.636 85.268,71.526 85.268,73.406 85.506,73.644 RT1.4@86.096,73.644
NetCM1_89: CM1.89 SB1.1 | length 12
  Top Layer w0.152: v2(68.783,56.109) 69.596,56.109 69.787,56.3 CM1.89@70.5,56.3
  Layer 1 w0.152: v2(68.783,56.109) 68.783,59.432 68.65,59.566 68.65,62.795 v2(70.466,64.611)
  Bottom Layer w0.152: v2(70.466,64.611) 70.532,64.545 70.776,64.545 70.804,64.516 SB1.1@71.349,64.516
NetCM1_91: CM1.91 SB2.1 | length 13.2
  Top Layer w0.152: v2(69.307,56.7) CM1.91@70.5,56.7
  Layer 1 w0.152: v2(69.307,56.7) 69.291,56.716 69.291,60.96 71.298,62.967 71.298,65.073 v2(70.153,66.218)
  Bottom Layer w0.203: v2(70.153,66.218) SB2.1@71.349,66.218
NetCM1_92: CM1.92 TP4.1 | length 24
  Top Layer w0.152: TP4.1@55.8,75.4 56.027,75.4 66.526,64.901 66.526,57.037 66.863,56.7 CM1.92@67.42,56.7
NetCM1_93: CM1.93 TP5.1 | length 23.4
  Top Layer w0.152: TP5.1@59.1,75.4 59.1,72.98 68.809,63.271 68.809,58.217 69.925,57.1 CM1.93@70.5,57.1
NetCM1_95: CM1.95 R31.1 U16.3 | length 52
  Top Layer w0.152: v1(51.257,67.894) 51.324,67.961 51.324,68.148 51.333,68.157 51.333,73.838 54.102,76.606 59.792,76.606 60.909,75.489 60.909,71.806 69.266,63.449 69.266,58.187 69.953,57.5 CM1.95@70.5,57.5
  Bottom Layer w0.152: U16.3@41.453,70.728 U16.3@41.475,70.75 ; v1@51.181,67.818 v1(51.257,67.894)
  Bottom Layer w0.381: U16.3@41.453,70.728 R31.1@41.453,69.139 41.453,68.199 41.834,67.818 v1@51.181,67.818
NetCM1_99: CM1.99 TP6.1 | length 20.4
  Top Layer w0.152: TP6.1@62.6,75.4 62.6,71.029 70.5,63.129 CM1.99@70.5,58.3
NetCM1_102: CM1.102 J8.52 | length 21.8
  Top Layer w0.15: J8.52@16.5,29.025 16.5,30.445 24.755,38.7 CM1.102@33.5,38.7
NetCM1_109: CM1.109 J8.50 | length 28.8
  Top Layer w0.15: J8.50@17,29.025 17.075,29.1 17.075,30.588 24.511,38.024 31.775,38.024 v1(31.852,37.948) ; CM1.109@36.58,40.3 37.593,40.3 37.797,40.504 v1(37.919,40.504)
  Bottom Layer w0.15: v1(31.852,37.948) 31.902,37.998 31.902,39.268 33.138,40.504 v1(37.919,40.504)
NetD3_2: D3.2 R15.2 | length 2
  Top Layer w0.25: D3.2@80.15,88.75 80.188,88.712 R15.2@80.188,86.75
NetD4_2: D4.2 R14.2 | length 4.1
  Top Layer w0.25: D4.2@75.794,88.722 75.794,87.681 76.251,87.224 R14.2@78.638,87.224
NetD5_2: D5.2 R16.1 | length 3.1
  Top Layer w0.152: D5.2@71.281,88.718 D5.2@71.285,88.722
  Top Layer w0.25: v2(70.206,88.722) D5.2@71.285,88.722
  Bottom Layer w0.25: v2(70.206,88.722) 70.206,87.909 70.536,87.579 R16.1@71.298,87.579
NetD6_2: D6.2 R46.2 | length 2.4
  Top Layer w0.203: D6.2@3.607,7.81 4.458,7.81 4.572,7.696 R46.2@5.969,7.696
NetD7_2: D7.2 R47.2 | length 4.7
  Top Layer w0.203: D7.2@1.956,7.81 2.73,8.585 4.316,8.585 5.129,9.398 R47.2@5.969,9.398
NetFB2_2: FB2.2 J12.14 J12.15 | length 26.1
  Top Layer w0.203: v1(67.259,4.801) 76,4.801 ; v1(74.549,12.446) 74.642,12.446 75.023,12.065 75.965,12.065 FB2.2@76,12.1 ; J12.14@76,7 76,4.801 ; J12.15@77,7 77,5.397 76.403,4.801 76,4.801
  Layer 1 w0.203: v1(67.259,4.801) 67.271,4.812 67.271,5.168 v1(74.549,12.446)
NetFB3_2: FB3.2 J17.15 | length 2.9
  Top Layer w0.152: FB3.2@80.1,55 J17.15@83,55
NetFB4_2: FB4.2 J16.15 | length 2.4
  Top Layer w0.15: FB4.2@80.6,28 J16.15@83,28
NetJ6_1: J6.1 R48.1 U24.7 U24.17 | length 38.3
  Layer 2 w0.508: J6.1@3.46,64.54 3.46,66.071 4.064,66.675 8.128,66.675 9.144,65.659 9.144,63.5 9.982,62.662 v2(18.085,62.662)
  Bottom Layer w0.203: J6.1@3.46,64.54 J6.1@3.51,64.54 ; U24.7@16.106,63.443 17.304,63.443 v2(18.085,62.662)
  Bottom Layer w0.254: 11.709,62.636 11.716,62.643 U24.17@13.206,62.643
  Bottom Layer w0.508: J6.1@3.46,64.54 3.46,66.046 4.115,66.7 5.512,66.7 6.096,67.285 ; R48.1@6.147,68.707 6.096,68.656 6.096,67.285 ; 11.709,62.636 10.033,62.636 9.144,63.525 9.144,65.989 7.925,67.208 6.172,67.208 6.096,67.285
NetJ6_3: J6.3 U24.5 | length 15
  Top Layer w0.203: J6.3@3.46,62 4.757,63.297 8.636,63.297 9.855,64.516 v2(16.408,64.516)
  Bottom Layer w0.203: U24.5@15.456,64.493 16.385,64.493 v2(16.408,64.516)
NetJ6_4: J6.4 U24.15 | length 8.3
  Top Layer w0.203: J6.4@6,62 6.001,62.001 7.849,62.001 8.553,61.297 v2(10.166,61.297)
  Bottom Layer w0.203: v2(10.166,61.297) 12.759,61.297 13.055,61.593 U24.15@13.856,61.593
NetJ6_5: J6.5 U24.6 | length 34.6
  Bottom Layer w0.203: J6.5@3.46,59.46 1.321,57.321 1.321,53.797 2.718,52.4 11.506,52.4 19.101,59.995 19.101,63.322 18.58,63.843 U24.6@16.106,63.843
NetJ6_6: J6.6 U24.16 | length 8.9
  Bottom Layer w0.203: J6.6@6,59.46 8.254,59.46 9.322,60.528 9.322,61.519 9.601,61.798 11.709,61.798 12.154,62.243 U24.16@13.206,62.243
NetJ6_7: J6.7 U24.9 | length 27
  Bottom Layer w0.203: J6.7@3.46,56.92 1.674,55.134 1.674,53.943 2.785,52.832 11.354,52.832 17.247,58.725 17.247,62.255 16.859,62.643 U24.9@16.106,62.643
NetJ6_8: J6.8 U24.19 | length 13.9
  Top Layer w0.152: v2(10.998,60.376) v2(10.998,63.857)
  Bottom Layer w0.152: J6.8@6,56.92 10.413,56.92 10.998,57.506 v2@10.998,60.35 ; v2(10.998,63.857) 12.171,63.857 12.585,63.443 U24.19@13.206,63.443
NetJ6_9: J6.9 U24.10 | length 18.3
  Bottom Layer w0.203: J6.9@3.46,54.38 4.782,55.702 13.716,55.702 16.106,58.092 U24.10@16.106,62.243
NetJ9_12: J9.12 R44.2 | length 3
  Bottom Layer w0.25: J9.12@14,3 14.031,2.969 16.969,2.969 R44.2@17,2.938
NetJ9_13: J9.13 R43.2 | length 3
  Bottom Layer w0.25: R43.2@19.2,2.938 19.231,2.969 22.097,2.969 J9.13@22.128,3
NetQ1_4: Q1.4 R6.2 | length 2.4
  Top Layer w0.246: Q1.4@34.849,87.705 37.233,87.705 R6.2@37.238,87.7
NetR5_2: R5.2 U20.5 | length 7
  Top Layer w0.184: R5.2@8.484,42.57 10.236,42.57 10.744,43.078 v1(10.744,45.441)
  Bottom Layer w0.184: v1(10.744,45.441) 11.19,44.995 U20.5@12.751,44.995
NetR7_2: R7.2 R50.1 U5.7 | length 11.4
  Top Layer w0.152: v2(46.838,80.975) 47.714,80.975 U5.7@47.739,80.951
  Bottom Layer w0.152: v2(46.838,80.975) R50.1@55.651,80.975 R7.2@55.651,82.652
NetR14_1: R14.1 U6.4 | length 1.3
  Top Layer w0.25: U6.4@77.379,85.706 77.385,85.7 R14.1@78.638,85.7
NetR15_1: R15.1 U6.6 | length 9.1
  Top Layer w0.25: U6.6@75.479,85.706 75.479,84.846 75.717,84.607 81.255,84.607 81.712,85.065 R15.1@81.712,86.75
NetR18_1: R18.1 U21.3 U22.3 | length 26.9
  Bottom Layer w0.152: U22.3@8.525,35.723 8.525,36.839 7.925,37.44 7.925,39.675 7.239,40.361 7.239,42.723 7.579,43.063 U21.3@8.677,43.063 8.677,43.523 8.97,43.815 16.332,43.815 16.866,43.282 25.578,43.282 R18.1@25.603,43.256
NetR20_2: R20.2 U10.6 | length 1.9
  Bottom Layer w0.15: R20.2@62.052,79.553 62.068,79.569 U10.6@63.935,79.569
NetR21_2: R21.2 U21.4 | length 1.7
  Bottom Layer w0.152: U21.4@10.677,43.063 10.693,43.078 R21.2@12.421,43.078
NetR23_1: R23.1 U13.7 | length 3.6
  Bottom Layer w0.152: R23.1@51.283,64.287 51.301,64.269 U13.7@51.301,60.732
NetR24_2: R24.2 U14.35 | length 3
  Bottom Layer w0.296: U14.35@46.817,19.5 R24.2@49.784,19.5
NetR25_2: R25.2 U13.6 | length 2.5
  Bottom Layer w0.152: R25.2@50.368,63.094 50.368,61.747 50.801,61.315 U13.6@50.801,60.732
NetR26_1: R26.1 U5.1 | length 1.8
  Top Layer w0.152: R26.1@47.727,86.081 47.739,86.069 U5.1@47.739,84.251
NetR27_2: R27.2 U14.28 | length 3.6
  Bottom Layer w0.15: U14.28@46.817,23 47.612,23 47.7,23.088 R27.2@47.7,25.738
NetR28_2: R28.2 U14.25 | length 2.9
  Bottom Layer w0.15: U14.25@45,23.817 45,24.604 45.288,24.892 46.05,24.892 46.3,25.142 R28.2@46.3,25.738
NetR29_2: R29.2 U14.24 | length 2.1
  Bottom Layer w0.15: U14.24@44.5,23.817 44.5,24.739 44.9,25.139 R29.2@44.9,25.738
NetR32_1: R32.1 U17.17 | length 3.9
  Bottom Layer w0.15: U17.17@35.9,56.555 39.816,56.555 R32.1@39.827,56.566
NetR33_2: R33.2 U14.22 | length 3.4
  Bottom Layer w0.15: R33.2@41.7,25.738 41.631,25.669 41.631,25.171 41.834,24.968 43.028,24.968 43.5,24.496 U14.22@43.5,23.817
NetR34_1: R34.1 U16.4 | length 32.8
  Layer 1 w0.254: v2(19.05,86.03) 21.361,83.718 24.917,83.718 35.57,73.434 37.18,72.211 cw(c35.5,70) 38.038,71.128 v2(39.192,68.529)
  Bottom Layer w0.254: v2(19.05,86.03) 19.075,86.055 19.075,88.646 R34.1@19.101,88.671 ; U16.4@39.125,70.75 39.192,70.683 v2(39.192,68.529)
NetR35_1: R35.1 U16.6 | length 23.9
  Layer 1 w0.254: v2(24.435,85.979) 24.435,85.141 35.738,73.838 v2(37.49,73.838)
  Bottom Layer w0.254: v2(24.435,85.979) 24.447,85.992 24.447,88.684 R35.1@24.46,88.697 ; v2(37.49,73.838) 38.811,73.838 39.125,73.524 U16.6@39.125,72.65
NetR36_2: R36.2 R37.1 U17.2 | length 17.7
  Bottom Layer w0.5: R37.1@23.216,45.1 23.224,45.092 25.292,45.092 R36.2@25.3,45.084 26.466,45.084 26.797,45.415 26.797,50.419 28.956,52.578 28.956,56.083 28.484,56.555 U17.2@26.7,56.555
NetR37_2: R37.2 U20.4 | length 3
  Bottom Layer w0.5: U20.4@18.249,44.995 18.287,45.033 21.117,45.033 R37.2@21.184,45.1
NetR46_1: R46.1 U15.23 | length 57.6
  Top Layer w0.152: v2(38.1,36.271) 40.183,34.188 v2(40.183,31.902)
  Top Layer w0.305: R46.1@8.001,7.696 v2(9.068,7.696)
  Layer 1 w0.152: v2(9.068,7.696) 9.068,7.116 10.698,5.486 14.783,5.486 20.828,11.532 24.659,11.532 30.656,17.528 31.52,17.528 32.131,18.14 32.131,22.708 35.992,26.568 39.649,26.568 40.206,27.125 40.206,31.879 v2(40.183,31.902)
  Bottom Layer w0.152: U15.23@35.625,36.275 38.096,36.275 v2(38.1,36.271)
NetR47_1: R47.1 U15.22 | length 57.2
  Top Layer w0.152: v2(37.592,35.636) 39.37,33.858 v2(39.37,31.572)
  Top Layer w0.254: R47.1@8.001,9.398 v2(9.068,9.398)
  Layer 1 w0.152: v2(9.068,9.398) 9.927,8.539 9.927,6.685 10.719,5.893 14.757,5.893 20.701,11.836 24.536,11.836 30.531,17.831 31.331,17.831 31.394,17.831 31.826,18.263 31.826,22.83 35.867,26.871 37.109,26.873 39.472,26.873 39.903,27.305 39.903,31.039 v2(39.37,31.572)
  Bottom Layer w0.152: U15.22@35.625,35.625 37.581,35.625 v2(37.592,35.636)
NetR49_2: R49.2 U24.1 | length 2.5
  Bottom Layer w0.203: U24.1@13.856,64.493 13.856,66.916 R49.2@13.894,66.954
NetU8_1: U8.1 X3.1 | length 4.2
  Top Layer w0.152: X3.1@74.374,19.075 X3.1@73.8,18.5 X3.1@73.8,18.5 73.8,18.405 74.374,17.831 v2(75.082,17.831)
  Bottom Layer w0.152: v2(75.082,17.831) 75.108,17.805 U8.1@76.823,17.805
NetU8_2: U8.2 X3.4 | length 5.5
  Top Layer w0.152: X3.4@73.8,21.7 73.817,21.717 v2(75.032,21.717)
  Bottom Layer w0.152: v2(75.032,21.717) 75.032,19.423 75.379,19.075 U8.2@76.823,19.075
NetU12_4: U12.4 U14.12 | length 32.8
  Top Layer w0.152: v1(40.64,17.018) v1(57.15,17.018)
  Bottom Layer w0.152: v1(40.64,17.018) 40.132,17.526 40.132,19.758 40.374,20 U14.12@41.183,20 ; v1(57.15,17.018) 57.15,16.993 58.4,15.743 U12.4@58.4,5.35
NetU17_1: U17.1 U20.1 | length 13.1
  Bottom Layer w0.5: U20.1@18.249,48.805 21.779,48.805 24.257,51.283 24.257,54.686 24.856,55.285 U17.1@26.7,55.285
nOSC: TP3.1 U12.3 U14.13 U14.17 U14.19 U14.21 | length 49.7
  Top Layer w0.15: v2(38.405,21.311) 38.405,22.835 v1(40.157,24.587)
  Layer 2 w0.15: v1(40.157,24.587) 45.72,19.025 v1(53.315,19.025) 54.127,19.025 54.508,18.644 TP3.1@57.175,18.644
  Bottom Layer w0.15: v2(38.405,21.311) 38.405,21.216 38.654,20.966 38.654,20.959 38.76,20.853 39.929,20.853 40.282,20.5 U14.13@41.183,20.5 ; v1@40.132,24.409 40.132,22.733 40.118,22.719 40.118,22.595 40.213,22.5 U14.17@41.183,22.5 ; v1@40.31,24.587 41.995,24.587 42,24.583 ; U14.19@42,23.817 42,24.583 ; U14.21@43,23.817 43,24.474 42.861,24.613 42.03,24.613 42,24.583 ; v1(53.315,19.025) 54.102,18.237 54.102,5.893 54.645,5.35 U12.3@56.4,5.35
nPIRQ: CM1.30 U13.18 | length 21.9
  Top Layer w0.152: v1(51.568,55.145) 51.568,54.058 61.326,44.3 CM1.30@67.42,44.3
  Bottom Layer w0.152: U13.18@51.301,55.932 51.31,55.923 51.31,55.447 51.568,55.189 v1(51.568,55.145)
PCIe_CLK_N: CM1.112 J8.53 | length 45.7
  Top Layer w0.259: J8.53@16.25,21.475 16.25,22.781 cw(c18.79,22.781) 18.79,25.321 32.918,25.321 ccw(c32.918,27.305) 34.902,27.305 34.902,31.826 34.902,32.161 ccw(c34.195,32.161) 34.195,32.868 31.187,32.868 cw(c31.187,33.167) 31.187,33.465 34.341,33.465 ccw(c34.341,34.173) 34.341,34.881 33.897,34.881 cw(c33.897,35.179) 33.897,35.478 34.195,35.478 ccw(c34.195,36.186) 34.902,36.186 34.902,37.186 34.902,39.653 ccw(c33.856,39.653) 33.856,40.7
PCIe_CLK_P: CM1.110 J8.55 | length 45.7
  Top Layer w0.259: J8.55@15.75,21.475 15.75,22.781 cw(c18.699,22.781) 18.699,25.73 19.101,25.73 19.23,25.73 19.23,25.859 19.998,25.859 19.998,25.73 20.221,25.73 32.918,25.73 ccw(c32.918,27.305) 34.493,27.305 34.493,31.826 34.493,32.161 ccw(c34.195,32.161) 34.195,32.459 31.187,32.459 cw(c31.187,33.167) 31.187,33.875 34.341,33.875 ccw(c34.341,34.173) 34.341,34.472 33.897,34.472 cw(c33.897,35.179) 33.897,35.887 34.195,35.887 ccw(c34.195,36.186) 34.493,36.186 34.493,37.186 34.493,39.514 ccw(c33.708,39.514) 33.708,40.3 CM1.110@33.5,40.3
PCIe_RX_N: CM1.118 J8.41 | length 45.7
  Top Layer w0.259: J8.41@19.25,21.475 19.25,20.37 19.159,20.28 19.159,19.995 cw(c18.338,19.995) 18.338,19.174 15.24,19.174 cw(c15.24,20.676) 13.739,20.676 13.739,29.303 cw(c16.682,29.303) 14.601,31.385 19.688,36.472 19.924,36.708 cw(c20.069,36.563) 19.925,36.708 20.354,37.138 ccw(c20.171,37.322) 20.354,37.506 20.078,37.781 cw(c20.522,38.225) 20.078,38.669 cw(c20.522,38.225) 20.966,38.669 21.958,37.677 ; 21.958,37.677 ccw(c22.113,37.831) 22.267,37.676 ; 22.268,37.985 cw(c22.113,37.831) 22.268,37.677 ; 22.267,37.986 22.208,38.045 cw(c22.68,38.519) 22.208,38.992 22.444,39.228 24.267,41.051 cw(c26.348,38.969) 26.348,41.913 26.356,41.92 33.48,41.92 CM1.118@33.5,41.9